# KiCad board MCU_Bottom.kicad_pcb (continued)
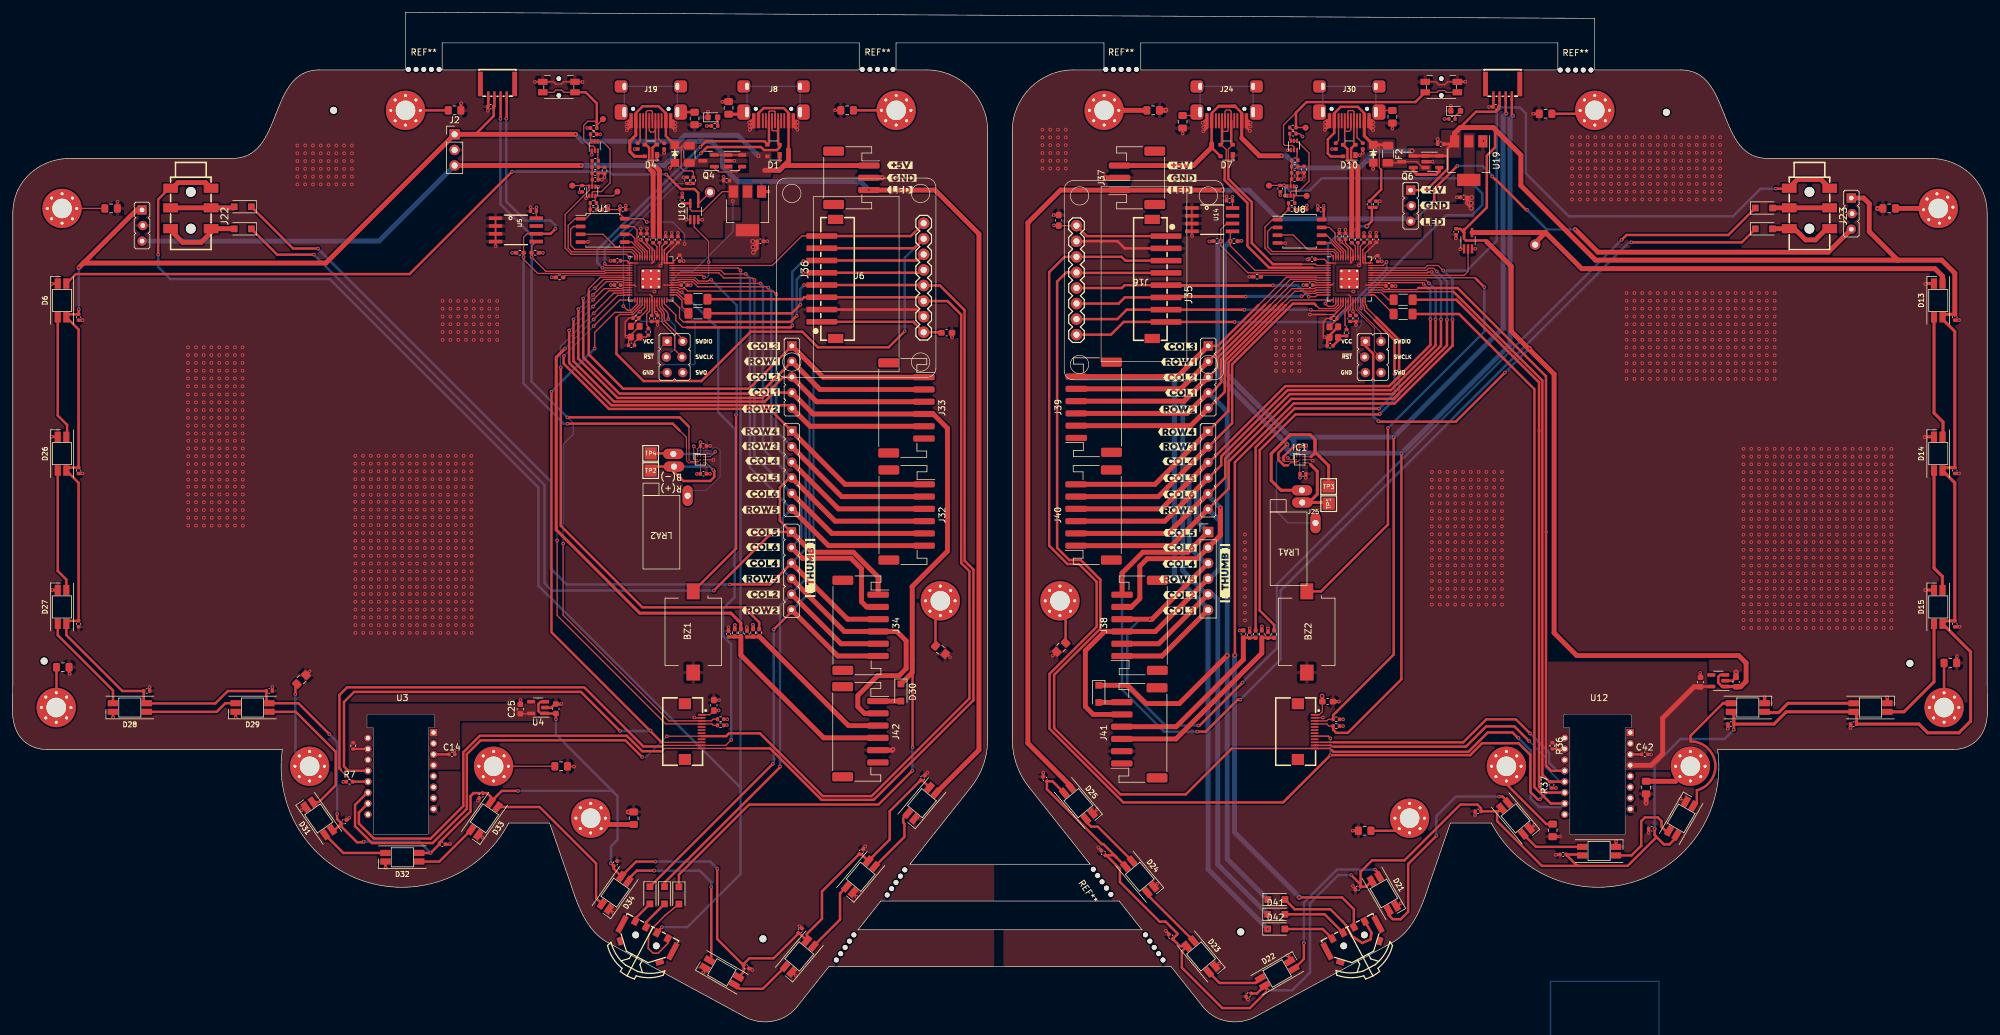
[diagram p0: board, top side]
## Nets (continued)
Net-(J30-SHIELD): FB4.1 J30.S1
Net-(Q1A-D): Q1.4 Q1.5 Q1.6 Q5.2 R49.2
Net-(Q1B-D): Q1.3 R53.1
Net-(Q2A-D): Q2.4 Q2.5 Q2.6 Q3.2 R23.2
Net-(Q2B-D): Q2.3 R27.1
Net-(Q3B-G): C34.1 C37.1 Q3.5 R27.2 R28.1
Net-(Q4-G): Q4.1 U11.4
Net-(Q5B-G): C58.1 C61.1 Q5.5 R53.2 R54.1
Net-(Q6-G): Q6.1 U18.4
Net-(R1-Pad2): R1.2 R2.1
Net-(R8-Pad2): R8.2 R9.1
Net-(R28-Pad2): R28.2 R29.1
Net-(R54-Pad2): R54.2 R55.1
Net-(U2-D+): R3.2 U2.47
Net-(U2-D-): R4.2 U2.46
Net-(U2-XTAL_IN): C3.2 U2.20 Y1.3
Net-(U2-XTAL_OUT): R5.2 U2.21
Net-(U3-LED_P): R6.2 U3.15
Net-(U3-VDDPIX): C14.1 U3.3
Net-(U9-D+): R10.2 U9.47
Net-(U9-D-): R19.2 U9.46
Net-(U9-XTAL_IN): C9.2 U9.20 Y2.3
Net-(U9-XTAL_OUT): R35.2 U9.21
Net-(U12-LED_P): R36.2 U12.15
Net-(U12-VDDPIX): C42.1 U12.3

Pads without a net: J3 MP; J8 A5 A8 B5 B8; J15 13 14; J17 6; J19 A8 B8; J24 A5 A8 B5 B8; J27 13 14; J28 6; J30 A8 B8; J32 MP; J33 6 MP; J34 MP; J35 9 10; J36 9 10; J37 MP; J38 MP; J39 1 MP; J40 MP; J41 1 MP; J42 6 MP; S1 5 6 7 8; S2 5 6 7 8; U3 1 2 6 7 14 16; U4 4; U5 7; U7 0; U12 1 2 6 7 9 14 16; U13 4; U14 7; U16 0

## Via types
v1: diameter 0.6, hole 0.3, Top to Bottom, 2213 vias
v2: diameter 0.8, hole 0.4, Top to Bottom, 14 vias

## Routing (per net, layer and track width the routed paths; a pad name or vN(x,y) marks a point on that pad's centre or on a via; arc(x,y) is an arc through that point)
+1V1: length 12.6
  Top w0.2: C22.1 102.47,127.67 103.92,126.22 ; 103.92,126.22 U2.50 ; 103.92,126.22 102.41,127.72 v1(102.41,127.74)
  Top w0.25: C10.1 105.92,126.64 U2.45 105.92,123.74 v1(105.67,123.49) ; U2.23 104.72,116.07 v1(104.97,115.82) 105.22,115.57 C23.1
  vias: v1(104.69,119.27)
+1V1_R: length 10.4
  Top w0.2: U9.50 217.79,126.27 v1(216.67,127.39) 216.37,127.69 C48.1 ; C26.1 219.79,126.66 U9.45 219.79,123.77 v1(219.57,123.54) ; U9.23 v1(218.59,116.02) 218.59,115.86 C47.1
  vias: v1(218.64,119.27)
+1V8: length 1.8
  Top w0.2: U4.5 84.52,50.39 C25.1
+1V8_R: length 21.9
  Top w0.4: U13.5 275.3,54.84 C50.1
  Top w0.8: C50.1 274.18,54.79 269.09,49.69 269.09,43.89 267.19,41.99 U12.4
+3V3: length 92
  Top w0.13: C27.1 112.2,94.08 IC2.A2 ; C27.1 112.21,94.68 v1(112.21,94.69) ; C27.1 111.7,93.58 IC2.A1 ; IC2.C2 112.2,89.54 C32.1 111.66,89.54 v1(111.64,89.51)
  Top w0.2: C11.1 100.3,124.29 U2.1 101.94,123.92 ; C1.1 99.06,133.16 v1(99.09,133.19) ; C1.1 R1.1 97.2,133.23 v1(97.19,133.24) ; C1.1 99.06,131.94 U1.8 102.91,131.14 v1(103.46,130.59) ; v1(93.74,145.94) R22.1 94.28,145.94 R23.1 95.84,144.92 v1(95.87,144.89) ; J15.1 113.71,50.24 C30.1 115.14,50.92 v1(115.16,50.94) ; v1(116.51,48.54) 116.49,48.52 R18.1 ; 104.25,126.38 103.46,127.17 C18.1 ; 104.25,126.38 104.32,126.32 U2.49 104.32,123.89 104.72,124.29 U2.48 ; 104.25,126.38 104.72,125.92 ; R20.2 116.56,49.52 v1(116.56,49.51) ; 103.99,118.79 104.31,118.47 104.32,118.47 U2.22 ; R14.1 v1(86.51,125.59) ; R21.1 v1(87.98,121.58) ; C2.1 107.55,123.93 U2.42 ; C16.1 U2.10 101.46,120.32 101.69,120.09 ; 92.92,135.53 92.53,135.53 v1(92.47,135.47) ; v1(85.47,133) 85.46,132.99 C29.2 85.43,132.36 U5.8 ; 106.22,120.32 C12.1 ; R13.1 v1(81.51,125.59)
  Top w0.25: 106.74,123.92 106.72,123.94 U2.43 106.72,125.44 C20.1 ; 106.74,123.92 U2.42 ; 106.74,123.92 106.32,123.92 U2.44 106.32,126.04 C13.2 ; U2.22 104.32,115.42 C19.1 ; 104.72,125.92 U2.48
  Top w0.4: J36.1 146.9,114.33 J6.1 151.4,112.63 C5.1 ; C31.1 121.49,126.29 v2(120.84,125.64) ; C31.1 120.76,127.47 v2(120.74,127.44) ; C31.1 121.49,127.21 v2(120.79,126.51) ; R17.1 v1(113.22,146.28) ; v1(53.98,39.3) 54,39.32 R7.1
  Top w0.5: v1(117.81,64.86) 117.79,64.84 R31.1 ; R32.1 120.79,64.89 v1(120.76,64.91)
  Bottom w0.2: v1(103.46,130.59) 107.69,130.59 109.61,128.66 v1(109.61,127.04)
+3V3_R: length 79.5
  Top w0.13: IC1.A2 209.91,94.03 v1(210.02,94.14) 209.41,93.53 IC1.A1 ; 209.96,89.52 209.91,89.57 IC1.C2
  Top w0.2: 198.95,132.89 C53.2 198.95,134.72 v1(198.94,134.73) ; R44.1 v1(233.51,147.42) ; v1(195.16,127.44) 195.21,127.49 R40.1 ; C45.1 U9.10 215.11,120.32 215.39,120.59 ; C41.2 220.19,126.09 U9.44 220.19,123.99 220.32,123.87 ; 223.95,120.32 U9.33 220.66,120.32 ; R52.1 v1(206.74,134.99) ; C21.1 173.5,130.01 173.51,130.01 ; C6.2 213.82,133.24 v1(213.82,133.24) ; C17.1 222.27,125.12 221.43,124.28 U9.42 220.59,123.92 220.59,123.92 U9.43 220.59,125.49 C46.1 ; v1(200.41,127.54) 199.83,127.54 R41.1 ; C54.1 213.6,50.72 213.11,50.24 J27.1 ; 215.74,123.92 U9.1 213.93,124.54 C43.1 ; R46.2 v1(216.96,49.49) ; 218.17,126.39 218.19,126.37 U9.49 ; 218.17,126.39 217.37,127.19 C39.1 ; 218.17,126.39 218.59,125.97 U9.48 ; U9.48 218.59,124.39 218.19,123.99 ; U9.48 U9.49 ; R8.1 211.07,132.68 v1(211.07,133.29) ; R45.1 v1(216.96,48.39) ; 217.87,118.74 218.19,118.42 U9.22 218.19,116.37 217.84,116.02 217.84,115.62 C40.1 ; R48.1 208.3,146.02 R49.1 209.88,145.02 v1(210.36,144.54) ; U9.49 218.19,123.99 ; 218.19,123.99 218.27,123.92
  Top w0.4: C55.1 237.89,134.64 v2(237.94,134.59) ; C55.1 237.12,134.46 v2(237.89,133.69) ; C55.1 237.12,133.61 v2(237.89,132.84) ; v1(203.74,64.65) 203.73,64.64 R57.1 ; U8.8 213.59,130.99 213.82,131.22 C6.2 ; C21.1 169.87,130.01 v1(169.84,130.05) ; 173.51,130.01 175.21,128.31 J35.1 ; 209.96,89.52 v1(209.96,88.9) ; R58.1 200.13,64 v1(200.12,63.99) ; R37.1 v1(251.69,38.29)
  Top w0.5: v2(213.56,53.29) 213.6,53.25 C54.1
+5V: length 599.6
  Top w0.2: Q4.2 U11.5 ; U10.5 110.54,132.66 110.81,132.39 112.59,132.39 115.76,135.57 U6.3
  Top w0.4: 88.56,50.38 88.51,50.43 86.22,50.43 85.79,50.86 85.79,52 86.11,52.33 86.8,52.33 ; v1(97.61,26.01) 97.64,26.01 C85.2 98.06,25.1 D34.3 101.71,26.29 v1(104.89,26.29) ; v1(10.84,116.36) 10.84,115.57 C77.2 9.3,115.55 D6.3 10.82,113.07 C78.2 9.3,90.55 D26.3 10.82,88.07 C79.2 9.3,65.55 D27.3 8.82,63.23 17.93,54.11 C80.2 21.44,52.59 D28.3 21.94,52.09 33.11,52.09 35.13,54.11 C81.2 41.44,52.59 D29.3 46.66,52.11 v1(51.71,47.06) ; C86.2 119.24,9.6 120.16,10.51 124.14,10.51 128.15,14.53 C87.2 128.28,14.64 D36.3 129.55,14.5 132.01,16.96 132.01,21.43 C88.2 138.4,27.52 D37.3 143.06,29.89 143.06,34.5 C89.2 148.35,39.57 D38.3 ; C86.2 114.94,13.66 v1(114.94,25.16) ; C86.2 119.24,8.27 D35.3 ; v1(82.46,37.81) 79.81,37.81 D33.3 77.98,36.89 77.42,37.46 C84.2 75.2,37.46 74.71,36.96 74.71,34.46 69.63,29.38 C83.2 v1(68.21,27.69) D32.3 ; C33.1 109.26,133.65 U10.5 ; C82.2 52.63,31.48 D31.3 ; C82.2 52.96,33.22 v1(52.96,34.06) ; C82.2 53.67,31.98 56.21,29.44 57.21,29.44 v1(57.31,29.54) ; 126.57,142.44 J8.A4 126.57,148.41 125.79,149.19 122.49,149.19 121.67,148.37 J8.B4 ; v1(10.86,123.16) 10.86,123.21 11.69,124.04 51.25,124.04 ; v1(88.64,49.49) C24.2 ; J2.1 75.5,144.9 78.49,147.89 C60.2 78.61,149.54 78.61,151.12
  Top w0.8: 125.06,139.04 122.69,139.04 ; 125.06,139.04 126.57,140.54 126.57,142.44 ; 125.06,139.04 125.84,139.82 J3.1 ; J21.1 20.28,132.58 11.74,124.04 ; 11.56,123.91 51.12,123.91 J2.1 91.83,144.9 v1(91.84,144.91) ; 12.04,124.04 11.74,124.04 ; 11.74,124.04 v1(10.86,123.16)
  Bottom w0.2: J17.1 105.24,109.59 105.24,107.56 105.46,107.34 111.11,107.34 111.34,107.56 111.34,114.11 107.41,118.04 107.41,120.91 109.01,122.51 110.99,122.51 117.49,129.01 v1(117.49,134.01)
  Bottom w0.4: v1(10.86,123.16) 10.84,123.14 v1(10.84,116.36) ; v1(51.71,47.06) 52.96,45.81 v1(52.96,34.06) ; v1(104.89,26.29) 113.81,26.29 v1(114.94,25.16) ; 98.09,37.59 98.69,36.99 98.69,29.86 97.61,28.79 v1(97.61,26.01) ; 98.09,37.59 97.86,37.81 v1(82.46,37.81) ; 98.09,37.59 88.64,47.04 v1(88.64,49.49) ; v1(68.21,27.69) 66.36,29.54 v1(57.31,29.54)
  Bottom w0.8: v1(91.84,144.91) 92.96,143.79 108.71,143.79 109.69,144.76 118.26,144.76 v1(121.64,141.39)
+5V_R: length 726.2
  Top w0.4: 180.04,26.94 180.04,26.98 177.89,29.14 177.64,29.14 168.69,38.09 C75.2 169.6,39.39 D25.3 ; 180.04,26.94 179.67,27.32 C76.2 178.35,27.32 180.59,25.09 180.59,22.96 187.06,16.49 188.04,16.49 189.96,14.56 189.96,14.44 C74.2 190.39,12.47 D23.3 190.69,11.65 190.69,8.99 197.29,2.39 201.79,2.39 v1(204.69,5.29) 204.2,5.77 D22.3 202.92,4.78 C73.2 ; 180.04,26.94 D24.3 ; 234.01,141.39 234.01,139.25 230.56,135.8 J9.1 ; 234.01,141.39 234.01,142.61 U19.3 ; 234.01,141.39 U18.5 ; D18.3 271.33,30.23 270.19,29.09 269.29,29.09 268.09,30.29 ; U16.3 242.49,149.51 C70.2 242.37,149.12 241.84,148.59 238.64,148.59 236.07,146.02 ; 199.35,149.5 200.49,148.36 200.49,147.06 ; 268.09,30.29 263.39,25.59 255.49,25.59 ; 268.09,30.29 267.77,30.61 v1(267.77,31.64) ; 255.49,25.59 249.39,25.59 242.09,32.89 242.09,34.49 ; 255.49,25.59 255.17,25.59 C69.2 255.82,27.44 255.97,27.29 ; D7.4 195.54,142.76 J24.B4 ; 242.09,34.49 C71.2 239.47,35.01 238.89,35.59 236.09,35.59 226.99,26.49 221.69,26.49 219.84,24.64 C72.2 ; 242.09,34.49 242.3,34.49 D20.3 ; U13.3 278.47,56.74 278.15,56.42 278.15,55.45 278.76,54.84 U13.1 ; C67.2 280.69,47.8 v1(280.69,47.79) ; v1(221.89,104.84) 221.89,109.11 220.62,110.38 J28.1 ; 240.69,127.09 240.19,127.59 236.99,127.59 236.7,127.88 U17.5 ; 241.75,145.73 241.75,142.78 240.41,141.44 240.41,132.99 236.69,129.26 236.69,128.9 U17.5 ; 195.59,147.06 195.59,148.39 196.7,149.5 198.82,149.5 ; v1(222.71,98.14) 222.81,98.04 235.36,98.04 v1(243.36,106.04) ; U17.5 236.09,129.5 C57.1 ; D21.3 220.72,22.19 C72.2 ; C72.2 219.84,22.54 v1(218.29,24.09)
  Top w0.5: Q6.2 U18.5 ; J24.A4 200.44,144.3 ; C49.2 281.01,54.84 ; 281.01,54.84 U13.1 ; 281.01,54.84 278.76,54.84 ; U19.3 234.71,143.32 233.37,143.32 ; 199.44,149.41 199.35,149.5 ; 199.35,149.5 198.7,149.5 ; 199.35,149.5 196.7,149.5 ; D17.3 280.69,50.23 C67.2 287.24,48.71 289.24,50.71 D16.3 300.69,50.23 C66.2 310.86,48.71 312.29,47.29 317.39,47.29 319.29,49.19 319.29,60.5 D15.3 315.2,65.55 C65.2 316.72,88.07 D14.3 315.2,90.55 C64.2 316.72,112.76 314.72,114.76 D13.3 315.2,115.55 C63.2 ; 199.19,149.5 199.21,149.5
  Top w0.8: 307.41,124.39 302.76,129.04 302.76,133.61 301.86,134.52 J10.1 ; 307.41,124.39 314.59,124.39 316.72,122.26 C63.2 ; 307.41,124.39 258.14,124.39 245.97,136.56 245.97,141.52 241.47,146.02 236.07,146.02 235.17,145.12 U19.3 ; 195.54,143.42 195.54,142.78 192.58,139.82 J37.3 ; C49.2 281.79,54.8 282.69,55.69 282.69,58.69 281.49,59.89 255.09,59.89 251.39,63.59 251.39,105.79 247.39,109.79 v1(247.39,109.96) 247.21,109.96 244.39,112.79 244.39,123.39 240.39,127.39 ; 200.44,144.3 203.34,141.41 v1(206.92,141.41)
  Bottom w0.4: v1(204.69,5.29) 208.69,5.29 211.59,8.19 211.59,19.49 216.19,24.09 v1(218.29,24.09) ; v1(280.69,47.79) 279.19,46.29 271.99,46.29 267.77,42.07 v1(267.77,31.64) ; v1(247.39,109.96) 247.29,109.96 v1(243.36,106.04) ; v1(222.71,98.14) 221.91,98.94 221.91,104.81 v1(221.89,104.84)
  Bottom w0.8: v2(228.24,142.2) 222.38,142.2 219.61,139.43 209.75,139.43 207.77,141.41 v1(206.92,141.41)
/Left/VBUS: length 30.2
  Top w0.2: R11.1 111.04,138.76 110.86,138.94 109.54,138.94 109.06,139.41 109.06,142.74 109.36,143.04 F1.1
  Top w0.4: D3.1 106.57,144.63 J19.A4 ; J19.A4 106.57,148.41 ; J19.A4 106.57,148.31 105.39,149.49 102.79,149.49 101.67,148.37 J19.B4
  Top w0.5: D4.4 101.46,141.31 100.69,142.09 100.69,143.79 101.67,144.77 J19.B4
/Right/VBUS_R: length 33.8
  Top w0.2: 223.19,139.16 222.89,139.47 222.89,143.19
  Top w0.4: R38.1 223.19,135.91 223.19,139.16 ; J30.A4 220.44,148.33 219.39,149.39 216.59,149.39 215.54,148.34 J30.B4 215.54,145.14 214.49,144.09 214.49,141.79 214.99,141.29 216.97,141.29 D10.4
  Top w0.5: F2.1 224.17,143.19 D9.1 220.44,144.65 J30.A4
GND: length 130.1
  Top w0.13: C32.2 v1(113.74,89.54) ; C27.2 v1(113.76,94.09) ; v1(114.31,91.79) 114.28,91.82 IC2.B3 ; v1(75.91,36.24) 76.16,36.49 C84.1
  Top w0.2: R12.2 109.47,137.91 v1(109.46,137.89) ; Y1.2 100.87,112.19 Y1.4 ; v1(82.86,52.64) 82.84,52.61 C25.2 ; v1(96.12,137.52) C37.2 95.52,137.52 C34.2 96.53,138.54 R29.2 96.57,137.97 v1(96.54,137.94) ; v1(93.57,134.49) 93.69,134.49 Q3.1 ; v1(95.54,136.34) 95.52,136.37 Q3.4 ; J15.2 111.28,49.74 v1(111.21,49.81) ; U1.4 93.81,127.33 v1(93.86,127.39) ; FB12.2 134.18,148.82 v1(134.16,148.84) ; U5.1 U5.4 78.8,126.69 v1(78.82,126.68) ; FB5.2 91.54,41.83 v1(91.59,41.79) ; C12.2 v1(110.62,120.32) ; v1(17.16,133.91) 17.16,132.84 FB10.2 ; v1(97.59,124.27) 97.62,124.29 C11.2 ; U10.3 112.47,130.99 v1(112.48,130.98) ; Y1.4 100.19,111.84 v1(100.14,111.89) 99.94,112.09 99.94,114.32 100.57,114.94 C3.1 102.24,115.97 v1(102.37,115.97) 103.12,116.72 U2.19 ; Y1.4 100.49,111.46 C4.1 ; C13.1 107.54,128.8 v1(107.52,128.82) ; C30.2 115.18,52.64 v1(115.21,52.61) ; v1(108.52,128.82) 108.54,128.8 C20.2 ; C10.2 106.54,128.81 v1(106.54,128.82) ; Q2.1 v1(94.47,141.59) ; v1(100.02,133.27) 100.02,133.26 C1.2 ; C19.2 105.2,114.38 C23.2 v1(105.22,113.82) ; v1(109.91,130.98) 109.92,130.99 U10.1 ; v1(92.96,153.44) 92.93,153.47 K1.1 89.92,153.47 89.57,153.12 88.62,153.12 88.27,153.47 K1.1 85.22,153.47 v1(85.21,153.46) ; C22.2 102.47,129.53 v1(102.46,129.54) ; C18.2 103.46,129.49 v1(103.49,129.51) ; C2.2 109.42,124.24 v1(109.44,124.22) ; FB13.2 152.36,60.16 v1(152.89,59.64) ; C16.2 v1(97.59,120.32) ; C29.1 v1(84.5,133.01)
  Top w0.25: v1(101.49,142.49) 101.52,142.52 R25.1 ; R24.2 v1(106.29,141.89) ; v1(105.09,140.69) 105.12,140.72 D4.1
  Top w0.4: D2.1 113.44,148.56 v1(113.42,148.58) ; C83.1 71.31,29.11 v1(71.36,29.16) ; D34.1 97.34,18.56 v1(97.99,17.91) ; v1(6.54,70.59) 6.56,70.57 D27.1 ; v1(9.36,56.91) 9.26,57.01 FB9.2 ; v1(77.54,148.77) 77.53,148.78 C60.1 77.61,149.5 77.61,151.12 ; v1(153.24,111.81) 153.24,112.51 C5.2 ; D37.1 137.08,21.11 v1(137.66,20.54) ; C89.1 148.74,40.35 v1(149.21,40.81) ; v1(112.11,146.49) 111.26,146.49 FB2.2 ; J8.B1 120.89,146.27 v1(120.26,145.64) ; J8.B1 120.42,147.12 v1(120.14,146.84) ; J8.B1 120.89,146.94 v1(120.19,146.24) ; v1(72.11,44.41) 72.11,43.82 C14.2 ; v1(100.16,146.81) 100.47,147.12 J19.B1 ; U6.1 v1(123.29,135.57) ; C77.1 v1(11.44,114.59) ; C31.2 123.08,127.47 v1(123.09,127.46) ; D35.1 112.96,8.51 v1(112.66,8.21) ; C86.1 120.35,8.87 v1(120.64,8.59) ; v1(89.51,52.01) 89.42,51.93 88.41,51.93 87.86,51.38 86.8,51.38 ; U11.2 117.71,140.59 v1(117.72,140.59) ; C28.2 115.98,137.98 v1(115.97,137.99) ; v1(60.89,25.29) 60.84,25.33 D32.1 ; J19.A1 107.34,146.31 v1(108.06,145.59) ; J19.A1 107.34,146.96 v1(108.11,146.19) ; J19.A1 107.8,147.12 v1(108.14,146.79) ; v1(42.41,54.76) 42.4,54.75 C81.1 ; v1(73.21,149.96) 73.14,149.89 FB11.2 ; D26.1 6.41,95.57 v1(6.39,95.59) ; 108.04,140.26 v1(107.21,139.44) ; D6.1 6.52,120.57 v1(6.46,120.51) ; D28.1 16.42,49.85 v1(16.46,49.81) ; v1(125.09,140.69) 125.12,140.72 D1.1 ; J19.B1 100.89,146.24 v1(100.21,145.56) ; J19.B1 100.89,146.92 v1(100.16,146.19) ; v1(128.01,145.66) 127.34,146.33 J8.A1 ; J8.A1 127.34,146.98 v1(128.04,146.29) ; J8.A1 127.85,147.12 v1(128.06,146.91) ; v1(22.39,54.74) 22.4,54.72 C80.1 ; v1(36.44,49.81) 36.42,49.83 D29.1 ; v1(127.76,7.66) 127.16,8.26 D36.1 ; v1(128.34,15.74) 128.69,15.38 C87.1 ; C78.1 v1(11.44,89.59) ; J6.2 147.44,116.33 J36.2 ; v1(54.94,33.41) 54.59,33.06 C82.1 ; v1(47.16,34.66) 47.68,35.18 D31.1 ; D33.1 76.17,30.68 v1(76.64,30.21) ; C88.1 138.72,28.42 v1(139.06,28.76) ; C33.2 v1(109.23,135.28)
  Top w0.5: v1(116.76,64.49) 116.79,64.46 C35.2 ; v1(115.79,150.22) 115.82,150.24 FB1.2 ; C38.2 119.79,64.46 v1(119.76,64.49) ; FB6.2 v1(48.48,57.31)
  Top w0.8: v1(141.84,137.84) 141.82,137.82 J3.2 ; v1(143.59,44.59) 143.46,44.46 J42.5 ; v1(100.45,34.38) 100.45,34.38 101.48,34.38
  vias: v1(28.67,110.17) v1(28.67,108.9) v1(28.67,107.63) v1(28.67,106.36) v1(28.67,105.09) v1(28.67,103.82) v1(28.67,102.47) v1(28.67,101.2) v1(28.67,99.93) v1(28.67,98.66) v1(28.67,97.39) v1(28.67,96.12) v1(28.7,94.94) v1(28.7,93.67) v1(28.7,92.4) v1(28.7,91.13) v1(28.7,89.86) v1(28.7,88.59) v1(28.7,87.44) v1(28.7,86.17) v1(28.7,84.9) v1(28.7,83.63) v1(28.7,82.36) v1(28.7,81.09) v1(29.94,110.17) v1(29.94,108.9) v1(29.94,107.63) v1(29.94,106.36) v1(29.94,105.09) v1(29.94,103.82) v1(29.94,102.47) v1(29.94,101.2) v1(29.94,99.93) v1(29.94,98.66) v1(29.94,97.39) v1(29.94,96.12) v1(29.97,94.94) v1(29.97,93.67) v1(29.97,92.4) v1(29.97,91.13) v1(29.97,89.86) v1(29.97,88.59) v1(29.97,87.44) v1(29.97,86.17) v1(29.97,84.9) v1(29.97,83.63) v1(29.97,82.36) v1(29.97,81.09) v1(31.21,110.17) v1(31.21,108.9) v1(31.21,107.63) v1(31.21,106.36) v1(31.21,105.09) v1(31.21,103.82) v1(31.21,102.47) v1(31.21,101.2) v1(31.21,99.93) v1(31.21,98.66) v1(31.21,97.39) v1(31.21,96.12) v1(31.24,94.94) v1(31.24,93.67) v1(31.24,92.4) v1(31.24,91.13) v1(31.24,89.86) v1(31.24,88.59) v1(31.24,87.44) v1(31.24,86.17) v1(31.24,84.9) v1(31.24,83.63) v1(31.24,82.36) v1(31.24,81.09) v1(32.48,110.17) v1(32.48,108.9) v1(32.48,107.63) v1(32.48,106.36) v1(32.48,105.09) v1(32.48,103.82) v1(32.48,102.47) v1(32.48,101.2) v1(32.48,99.93) v1(32.48,98.66) v1(32.48,97.39) v1(32.48,96.12) v1(32.51,94.94) v1(32.51,93.67) v1(32.51,92.4) v1(32.51,91.13) v1(32.51,89.86) v1(32.51,88.59) v1(32.51,87.44) v1(32.51,86.17) v1(32.51,84.9) v1(32.51,83.63) v1(32.51,82.36) v1(32.51,81.09) v1(33.75,110.17) v1(33.75,108.9) v1(33.75,107.63) v1(33.75,106.36) v1(33.75,105.09) v1(33.75,103.82) v1(33.75,102.47) v1(33.75,101.2) v1(33.75,99.93) v1(33.75,98.66) v1(33.75,97.39) v1(33.75,96.12) v1(33.78,94.94) v1(33.78,93.67) v1(33.78,92.4) v1(33.78,91.13) v1(33.78,89.86) v1(33.78,88.59) v1(33.78,87.44) v1(33.78,86.17) v1(33.78,84.9) v1(33.78,83.63) v1(33.78,82.36) v1(33.78,81.09) v1(35.02,110.17) v1(35.02,108.9) v1(35.02,107.63) v1(35.02,106.36) v1(35.02,105.09) v1(35.02,103.82) v1(35.02,102.47) v1(35.02,101.2) v1(35.02,99.93) v1(35.02,98.66) v1(35.02,97.39) v1(35.02,96.12) v1(35.05,94.94) v1(35.05,93.67) v1(35.05,92.4) v1(35.05,91.13) v1(35.05,89.86) v1(35.05,88.59) v1(35.05,87.44) v1(35.05,86.17) v1(35.05,84.9) v1(35.05,83.63) v1(35.05,82.36) v1(35.05,81.09) v1(36.29,110.17) v1(36.29,108.9) v1(36.29,107.63) v1(36.29,106.36) v1(36.29,105.09) v1(36.29,103.82) v1(36.29,102.47) v1(36.29,101.2) v1(36.29,99.93) v1(36.29,98.66) v1(36.29,97.39) v1(36.29,96.12) v1(36.32,94.94) v1(36.32,93.67) v1(36.32,92.4) v1(36.32,91.13) v1(36.32,89.86) v1(36.32,88.59) v1(36.32,87.44) v1(36.32,86.17) v1(36.32,84.9) v1(36.32,83.63) v1(36.32,82.36) v1(36.32,81.09) v1(37.56,110.17) v1(37.56,108.9) v1(37.56,107.63) v1(37.56,106.36) v1(37.56,105.09) v1(37.56,103.82) v1(37.56,102.47) v1(37.56,101.2) v1(37.56,99.93) v1(37.56,98.66) v1(37.56,97.39) v1(37.56,96.12) v1(37.59,94.94) v1(37.59,93.67) v1(37.59,92.4) v1(37.59,91.13) v1(37.59,89.86) v1(37.59,88.59) v1(37.59,87.44) v1(37.59,86.17) v1(37.59,84.9) v1(37.59,83.63) v1(37.59,82.36) v1(37.59,81.09) v1(46.49,143.09) v1(46.49,141.82) v1(46.49,140.55) v1(46.49,139.28) v1(46.49,138.01) v1(46.49,136.74) v1(47.76,143.09) v1(47.76,141.82) v1(47.76,140.55) v1(47.76,139.28) v1(47.76,138.01) v1(47.76,136.74) v1(49.03,143.09) v1(49.03,141.82) v1(49.03,140.55) v1(49.03,139.28) v1(49.03,138.01) v1(49.03,136.74) v1(50.3,143.09) v1(50.3,141.82) v1(50.3,140.55) v1(50.3,139.28) v1(50.3,138.01) v1(50.3,136.74) v1(51.57,143.09) v1(51.57,141.82) v1(51.57,140.55) v1(51.57,139.28) v1(51.57,138.01) v1(51.57,136.74) v1(52.84,143.09) v1(52.84,141.82) v1(52.84,140.55) v1(52.84,139.28) v1(52.84,138.01) v1(52.84,136.74) v1(54.11,143.09) v1(54.11,141.82) v1(54.11,140.55) v1(54.11,139.28) v1(54.11,138.01) v1(54.11,136.74) v1(55.38,143.09) v1(55.38,141.82) v1(55.38,140.55) v1(55.38,139.28) v1(55.38,138.01) v1(55.38,136.74) v1(55.92,92.47) v1(55.92,91.2) v1(55.92,89.93) v1(55.92,88.66) v1(55.92,87.39) v1(55.92,86.12) v1(55.92,84.97) v1(55.92,83.7) v1(55.92,82.43) v1(55.92,81.16) v1(55.92,79.89) v1(55.92,78.62) v1(55.95,77.44) v1(55.95,76.17) v1(55.95,74.9) v1(55.95,73.63) v1(55.95,72.36) v1(55.95,71.09) v1(55.95,69.94) v1(55.95,68.67) v1(55.95,67.4) v1(55.95,66.13) v1(55.95,64.86) v1(55.95,63.59) v1(57.19,92.47) v1(57.19,91.2) v1(57.19,89.93) v1(57.19,88.66) v1(57.19,87.39) v1(57.19,86.12) v1(57.19,84.97) v1(57.19,83.7) v1(57.19,82.43) v1(57.19,81.16) v1(57.19,79.89) v1(57.19,78.62) v1(57.22,77.44) v1(57.22,76.17) v1(57.22,74.9) v1(57.22,73.63) v1(57.22,72.36) v1(57.22,71.09) v1(57.22,69.94) v1(57.22,68.67) v1(57.22,67.4) v1(57.22,66.13) v1(57.22,64.86) v1(57.22,63.59) v1(58.46,92.47) v1(58.46,91.2) v1(58.46,89.93) v1(58.46,88.66) v1(58.46,87.39) v1(58.46,86.12) v1(58.46,84.97) v1(58.46,83.7) v1(58.46,82.43) v1(58.46,81.16) v1(58.46,79.89) v1(58.46,78.62) v1(58.49,77.44) v1(58.49,76.17) v1(58.49,74.9) v1(58.49,73.63) v1(58.49,72.36) v1(58.49,71.09) v1(58.49,69.94) v1(58.49,68.67) v1(58.49,67.4) v1(58.49,66.13) v1(58.49,64.86) v1(58.49,63.59) v1(59.73,92.47) v1(59.73,91.2) v1(59.73,89.93) v1(59.73,88.66) v1(59.73,87.39) v1(59.73,86.12) v1(59.73,84.97) v1(59.73,83.7) v1(59.73,82.43) v1(59.73,81.16) v1(59.73,79.89) v1(59.73,78.62) v1(59.76,77.44) v1(59.76,76.17) v1(59.76,74.9) v1(59.76,73.63) v1(59.76,72.36) v1(59.76,71.09) v1(59.76,69.94) v1(59.76,68.67) v1(59.76,67.4) v1(59.76,66.13) v1(59.76,64.86) v1(59.76,63.59) v1(61,92.47) v1(61,91.2) v1(61,89.93) v1(61,88.66) v1(61,87.39) v1(61,86.12) v1(61,84.97) v1(61,83.7) v1(61,82.43) v1(61,81.16) v1(61,79.89) v1(61,78.62) v1(61.03,77.44) v1(61.03,76.17) v1(61.03,74.9) v1(61.03,73.63) v1(61.03,72.36) v1(61.03,71.09) v1(61.03,69.94) v1(61.03,68.67) v1(61.03,67.4) v1(61.03,66.13) v1(61.03,64.86) v1(61.03,63.59) v1(62.27,92.47) v1(62.27,91.2) v1(62.27,89.93) v1(62.27,88.66) v1(62.27,87.39) v1(62.27,86.12) v1(62.27,84.97) v1(62.27,83.7) v1(62.27,82.43) v1(62.27,81.16) v1(62.27,79.89) v1(62.27,78.62) v1(62.3,77.44) v1(62.3,76.17) v1(62.3,74.9) v1(62.3,73.63) v1(62.3,72.36) v1(62.3,71.09) v1(62.3,69.94) v1(62.3,68.67) v1(62.3,67.4) v1(62.3,66.13) v1(62.3,64.86) v1(62.3,63.59) v1(63.54,92.47) v1(63.54,91.2) v1(63.54,89.93) v1(63.54,88.66) v1(63.54,87.39) v1(63.54,86.12) v1(63.54,84.97) v1(63.54,83.7) v1(63.54,82.43) v1(63.54,81.16) v1(63.54,79.89) v1(63.54,78.62) v1(63.57,77.44) v1(63.57,76.17) v1(63.57,74.9) v1(63.57,73.63) v1(63.57,72.36) v1(63.57,71.09) v1(63.57,69.94) v1(63.57,68.67) v1(63.57,67.4) v1(63.57,66.13) v1(63.57,64.86) v1(63.57,63.59) v1(64.81,92.47) v1(64.81,91.2) v1(64.81,89.93) v1(64.81,88.66) v1(64.81,87.39) v1(64.81,86.12) v1(64.81,84.97) v1(64.81,83.7) v1(64.81,82.43) v1(64.81,81.16) v1(64.81,79.89) v1(64.81,78.62) v1(64.84,77.44) v1(64.84,76.17) v1(64.84,74.9) v1(64.84,73.63) v1(64.84,72.36) v1(64.84,71.09) v1(64.84,69.94) v1(64.84,68.67) v1(64.84,67.4) v1(64.84,66.13) v1(64.84,64.86) v1(64.84,63.59) v1(65.97,92.47) v1(65.97,91.2) v1(65.97,89.93) v1(65.97,88.66) v1(65.97,87.39) v1(65.97,86.12) v1(65.97,84.97) v1(65.97,83.7) v1(65.97,82.43) v1(65.97,81.16) v1(65.97,79.89) v1(65.97,78.62) v1(66,77.44) v1(66,76.17) v1(66,74.9) v1(66,73.63) v1(66,72.36) v1(66,71.09) v1(66,69.94) v1(66,68.67) v1(66,67.4) v1(66,66.13) v1(66,64.86) v1(66,63.59) v1(67.24,92.47) v1(67.24,91.2) v1(67.24,89.93) v1(67.24,88.66) v1(67.24,87.39) v1(67.24,86.12) v1(67.24,84.97) v1(67.24,83.7) v1(67.24,82.43) v1(67.24,81.16) v1(67.24,79.89) v1(67.24,78.62) v1(67.27,77.44) v1(67.27,76.17) v1(67.27,74.9) v1(67.27,73.63) v1(67.27,72.36) v1(67.27,71.09) v1(67.27,69.94) v1(67.27,68.67) v1(67.27,67.4) v1(67.27,66.13) v1(67.27,64.86) v1(67.27,63.59) v1(68.51,92.47) v1(68.51,91.2) v1(68.51,89.93) v1(68.51,88.66) v1(68.51,87.39) v1(68.51,86.12) v1(68.51,84.97) v1(68.51,83.7) v1(68.51,82.43) v1(68.51,81.16) v1(68.51,79.89) v1(68.51,78.62) v1(68.54,77.44) v1(68.54,76.17) v1(68.54,74.9) v1(68.54,73.63) v1(68.54,72.36) v1(68.54,71.09) v1(68.54,69.94) v1(68.54,68.67) v1(68.54,67.4) v1(68.54,66.13) v1(68.54,64.86) v1(68.54,63.59) v1(69.78,92.47) v1(69.78,91.2) v1(69.78,89.93) v1(69.78,88.66) v1(69.78,87.39) v1(69.78,86.12) v1(69.78,84.97) v1(69.78,83.7) v1(69.78,82.43) v1(69.78,81.16) v1(69.78,79.89) v1(69.78,78.62) v1(69.81,77.44) v1(69.81,76.17) v1(69.81,74.9) v1(69.81,73.63) v1(69.81,72.36) v1(69.81,71.09) v1(69.81,69.94) v1(69.81,68.67) v1(69.81,67.4) v1(69.81,66.13) v1(69.81,64.86) v1(69.81,63.59) v1(70.17,117.74) v1(70.17,116.47) v1(70.17,115.2) v1(70.17,113.93) v1(70.17,112.66) v1(70.17,111.39) v1(71.05,92.47) v1(71.05,91.2) v1(71.05,89.93) v1(71.05,88.66) v1(71.05,87.39) v1(71.05,86.12) v1(71.05,84.97) v1(71.05,83.7) v1(71.05,82.43) v1(71.05,81.16) v1(71.05,79.89) v1(71.05,78.62) v1(71.08,77.44) v1(71.08,76.17) v1(71.08,74.9) v1(71.08,73.63) v1(71.08,72.36) v1(71.08,71.09) v1(71.08,69.94) v1(71.08,68.67) v1(71.08,67.4) v1(71.08,66.13) v1(71.08,64.86) v1(71.08,63.59) v1(71.44,117.74) v1(71.44,116.47) v1(71.44,115.2) v1(71.44,113.93) v1(71.44,112.66) v1(71.44,111.39) v1(72.32,92.47) v1(72.32,91.2) v1(72.32,89.93) v1(72.32,88.66) v1(72.32,87.39) v1(72.32,86.12) v1(72.32,84.97) v1(72.32,83.7) v1(72.32,82.43) v1(72.32,81.16) v1(72.32,79.89) v1(72.32,78.62) v1(72.35,77.44) v1(72.35,76.17) v1(72.35,74.9) v1(72.35,73.63) v1(72.35,72.36) v1(72.35,71.09) v1(72.35,69.94) v1(72.35,68.67) v1(72.35,67.4) v1(72.35,66.13) v1(72.35,64.86) v1(72.35,63.59) v1(72.71,117.74) v1(72.71,116.47) v1(72.71,115.2) v1(72.71,113.93) v1(72.71,112.66) v1(72.71,111.39) v1(73.59,92.47) v1(73.59,91.2) v1(73.59,89.93) v1(73.59,88.66) v1(73.59,87.39) v1(73.59,86.12) v1(73.59,84.97) v1(73.59,83.7) v1(73.59,82.43) v1(73.59,81.16) v1(73.59,79.89) v1(73.59,78.62) v1(73.62,77.44) v1(73.62,76.17) v1(73.62,74.9) v1(73.62,73.63) v1(73.62,72.36) v1(73.62,71.09) v1(73.62,69.94) v1(73.62,68.67) v1(73.62,67.4) v1(73.62,66.13) v1(73.62,64.86) v1(73.62,63.59) v1(73.98,117.74) v1(73.98,116.47) v1(73.98,115.2) v1(73.98,113.93) v1(73.98,112.66) v1(73.98,111.39) v1(74.86,92.47) v1(74.86,91.2) v1(74.86,89.93) v1(74.86,88.66) v1(74.86,87.39) v1(74.86,86.12) v1(74.86,84.97) v1(74.86,83.7) v1(74.86,82.43) v1(74.86,81.16) v1(74.86,79.89) v1(74.86,78.62) v1(74.89,77.44) v1(74.89,76.17) v1(74.89,74.9) v1(74.89,73.63) v1(74.89,72.36) v1(74.89,71.09) v1(74.89,69.94) v1(74.89,68.67) v1(74.89,67.4) v1(74.89,66.13) v1(74.89,64.86) v1(74.89,63.59) v1(75.25,117.74) v1(75.25,116.47) v1(75.25,115.2) v1(75.25,113.93) v1(75.25,112.66) v1(75.25,111.39) v1(76.52,117.74) v1(76.52,116.47) v1(76.52,115.2) v1(76.52,113.93) v1(76.52,112.66) v1(76.52,111.39) v1(77.79,117.74) v1(77.79,116.47) v1(77.79,115.2) v1(77.79,113.93) v1(77.79,112.66) v1(77.79,111.39) v1(79.06,117.74) v1(79.06,116.47) v1(79.06,115.2) v1(79.06,113.93) v1(79.06,112.66) v1(79.06,111.39)